# Altium PCB Whitespace_Daughtercard.PcbDoc (part 4 of 5) (continued)
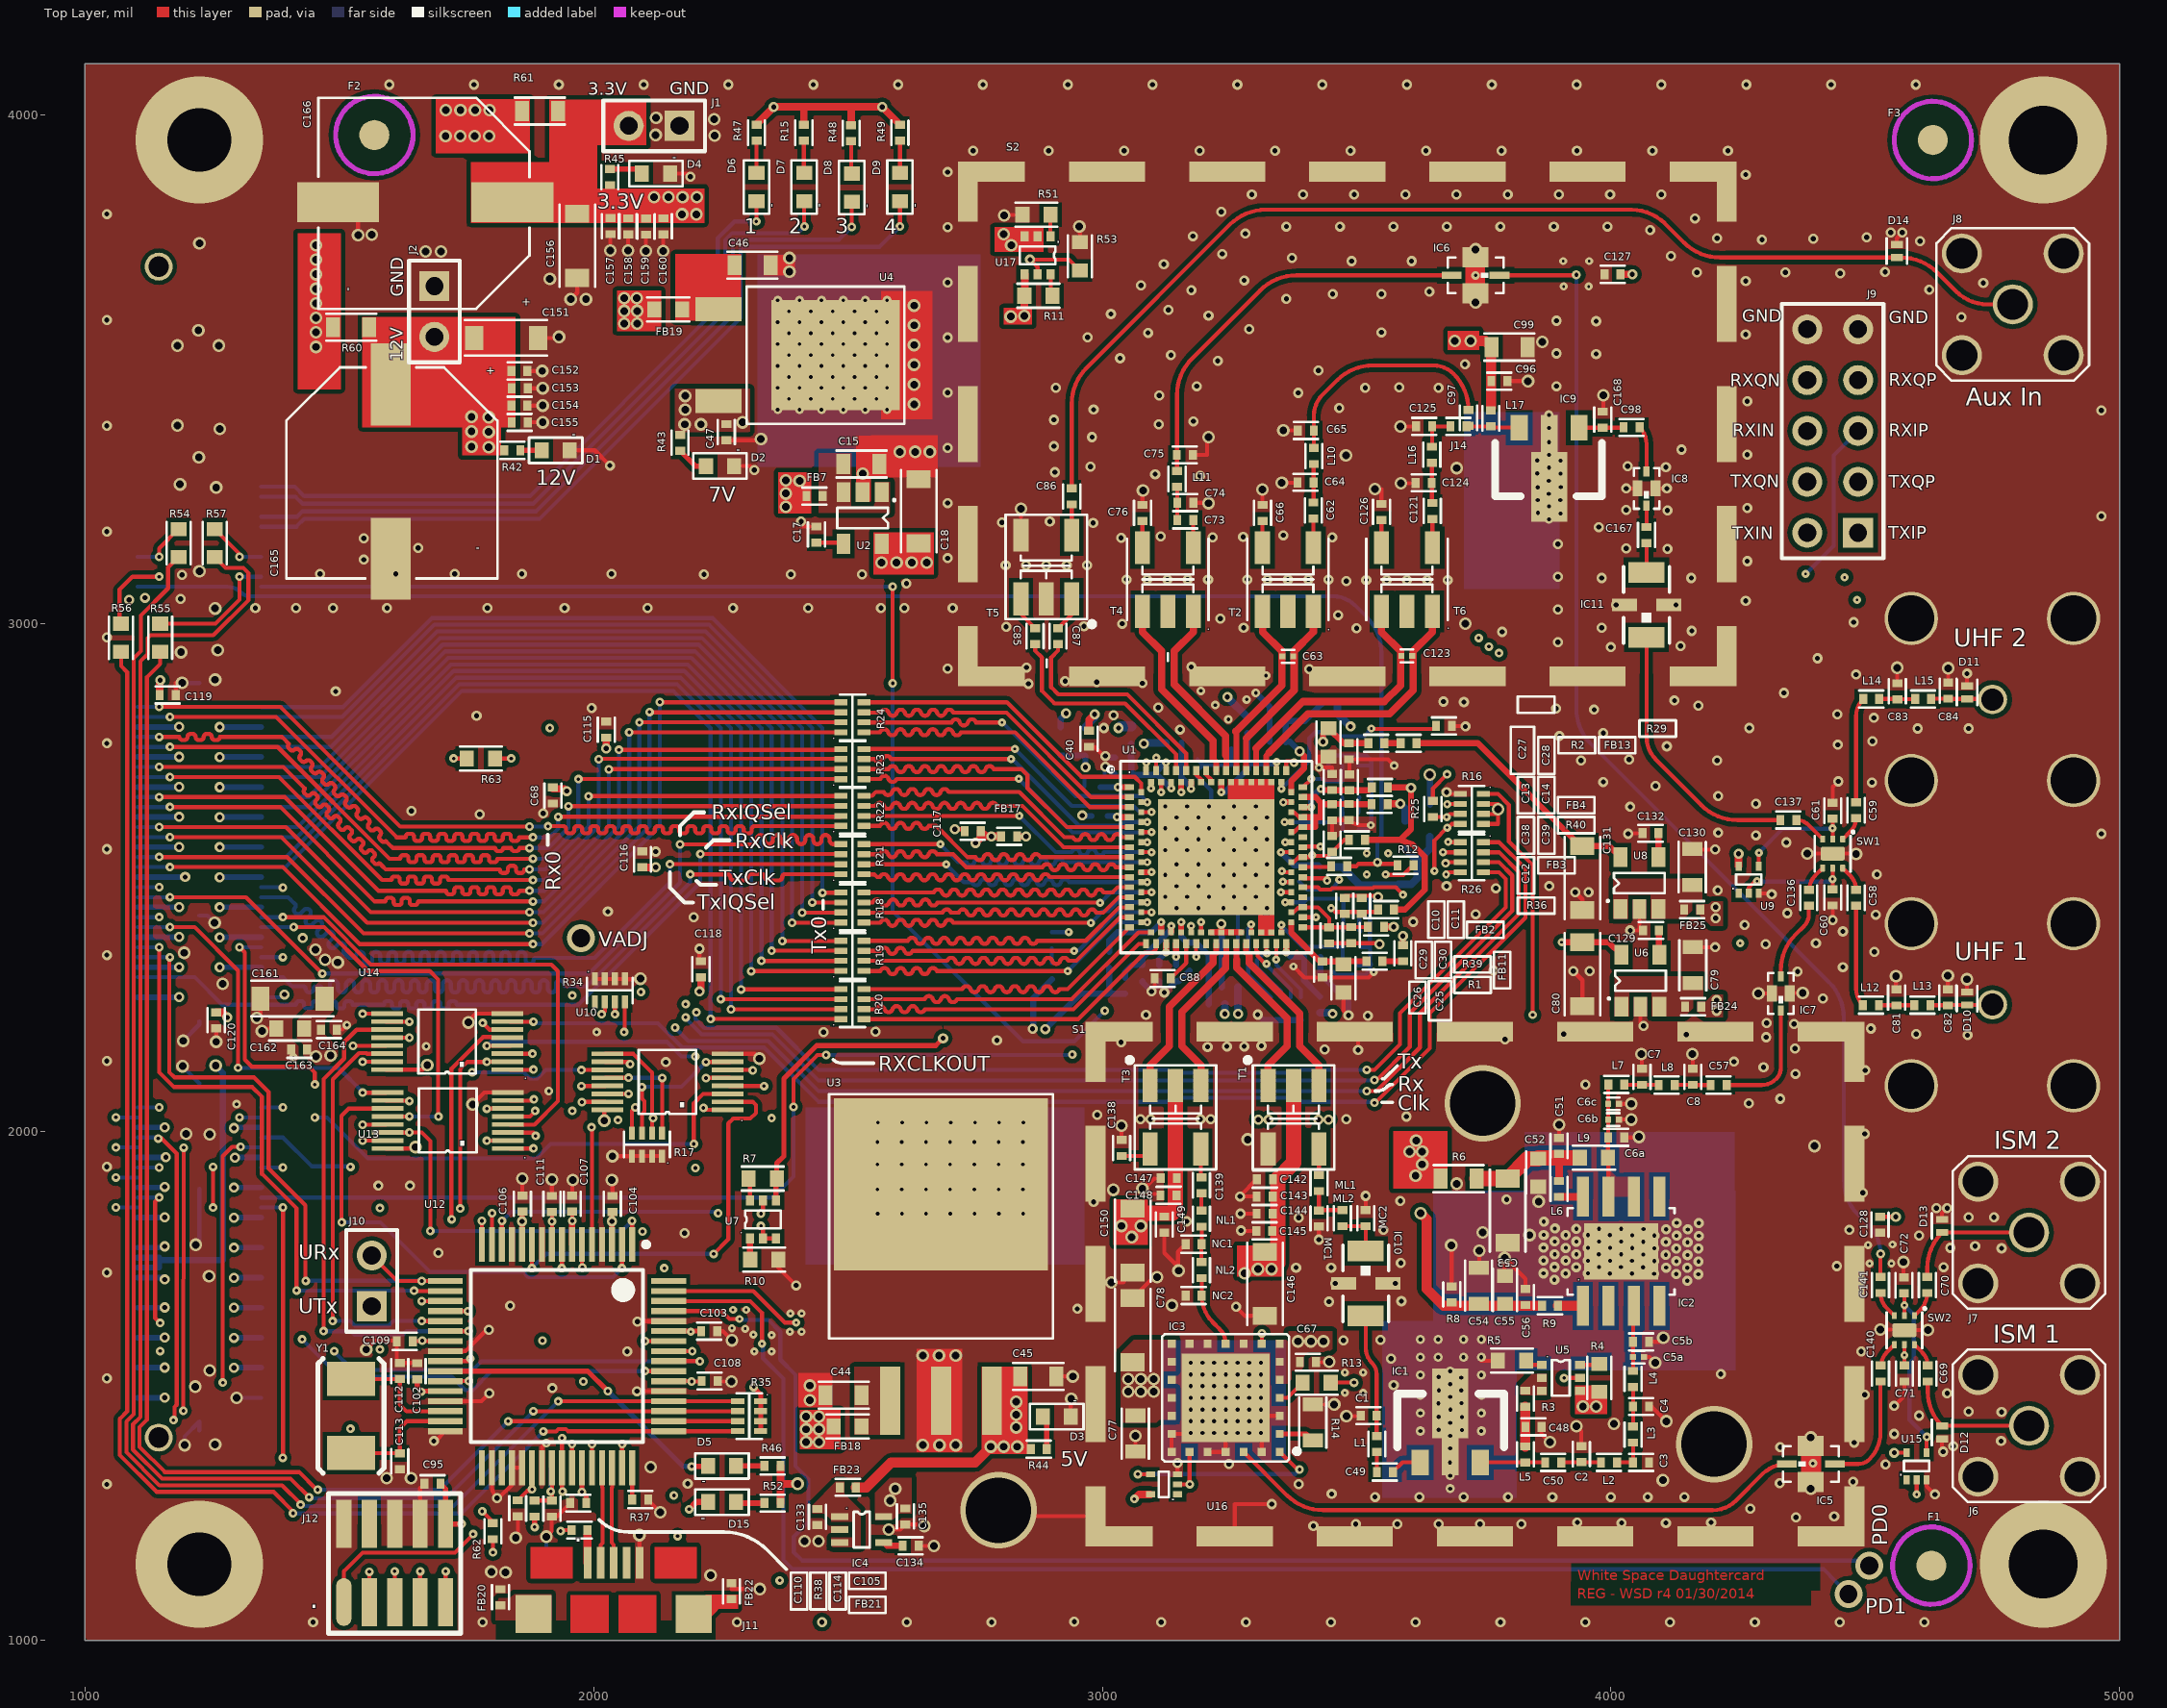
[diagram p0: Top Layer view]
## Nets (pads, with @x,y where several pads share a name; then routed paths per layer and width w, separated by ;. In a path a pad name is that pad's centre, name@x,y a point inside that pad or via, vN(x,y) a via of type N, cw(c..) or ccw(c..) an arc to the next point about the centre after c; other vN are vias at no path point) (continued)
RXOUTIP_4: J9.3 U1.116 | length 1786
  Top Layer w7.94: v5(3086.2,2726) v5@3086.2,2727
  MidLayer1 w7.94: v5(4383,3097) v5@4384,3098
  MidLayer2 w7.94: v5(3086.2,2726) 3086.2,2740.2 3109,2763 3293,2763 3453.06,2923.06 3791.35,2923.06 3797.29,2929 4217,2929 4383,3095 v5(4383,3097)
  Bottom Layer w7.94: v5(4383,3097) 4438,3152 4438,3330 J9.3@4486,3378
RXOUTQN_4: J9.9 U1.114 | length 1927.4
  Top Layer w7.94: U1.114@3105.89,2710.28 3105.89,2735.89 v5(3106,2736)
  MidLayer2 w7.94: v5(3106,2736) 3116,2746 3296,2746 3456.59,2906.59 4000.52,2906.59 ccw(c4000.52,2909.98) 4003.91,2909.98 4003.91,2911.21 cw(c4007.3,2911.21) 4007.3,2914.59 4017.46,2914.59 cw(c4017.46,2911.21) 4020.85,2911.21 4020.85,2909.98 ccw(c4024.23,2909.98) 4024.23,2906.59 4034.4,2906.59 ccw(c4034.4,2909.98) 4037.78,2909.98 4037.78,2911.21 cw(c4041.17,2911.21) 4041.17,2914.59 4051.33,2914.59 cw(c4051.33,2911.21) 4054.72,2911.21 4054.72,2909.98 ccw(c4058.11,2909.98) 4058.11,2906.59 4068.27,2906.59 ccw(c4068.27,2909.98) 4071.66,2909.98 4071.66,2911.21 cw(c4075.04,2911.21) 4075.04,2914.59 4085.21,2914.59 cw(c4085.21,2911.21) 4088.59,2911.21 4088.59,2909.98 ccw(c4091.98,2909.98) 4091.98,2906.59 4217.59,2906.59 4405,3094 4405,3104.56 4347.5,3162.05 4347.5,3416.5 4386,3454.99 J9.9@4386,3478
RXOUTQP_4: J9.4 U1.113 | length 2018.1
  Top Layer w7.94: v5(3115.73,2667.42) U1.113@3115.73,2687.64
  MidLayer2 w7.94: v5(3115.73,2667.42) 3115.73,2682.73 3127,2694 3159,2694 3179,2714 3306,2714 3463,2871 3873.19,2871 3879.97,2864.21 ccw(c3888,2864.21) 3888,2856.19 3894.88,2856.19 ccw(c3894.88,2864.21) 3902.91,2864.21 3902.91,2865.97 cw(c3910.94,2865.97) 3910.94,2874 3917.82,2874 cw(c3917.82,2865.97) 3925.85,2865.97 3925.85,2864.21 ccw(c3933.87,2864.21) 3933.87,2856.19 3940.76,2856.19 ccw(c3940.76,2864.21) 3948.78,2864.21 3948.78,2865.97 cw(c3956.81,2865.97) 3956.81,2874 3963.69,2874 cw(c3963.69,2865.97) 3971.72,2865.97 3971.72,2864.21 ccw(c3979.75,2864.21) 3979.75,2856.19 3986.63,2856.19 ccw(c3986.63,2864.21) 3994.66,2864.21 3994.66,2865.97 cw(c4002.69,2865.97) 4002.69,2874 4009.57,2874 cw(c4009.57,2865.97) 4017.59,2865.97 4017.59,2864.21 ccw(c4025.62,2864.21) 4025.62,2856.19 4032.5,2856.19 ccw(c4032.5,2864.21) 4040.53,2864.21 4047.32,2871 4224.8,2871 4437.43,3083.63 4437.43,3429.43 J9.4@4486,3478
RXPVDD33_2: C21.1 C22.2 FB9.1 U1.107 U1.109 | length 162.3
  Top Layer w12: v5(3155.1,2667.42) U1.109@3155.1,2687.64 ; v5(3174.79,2674.42) U1.107@3174.79,2687.64
  Bottom Layer w12: v5(3155.1,2667.42) C21.1@3155.1,2697.12 ; FB9.1@3156,2765 3156,2732.5 C22.2@3155.5,2732 3155.5,2699.5 C21.1@3155,2699 3155,2697.22 C21.1@3155.1,2697.12 ; v5(3174.79,2674.42) 3174.79,2677.44 C21.1@3155.1,2697.12
RXPVDDPLL33A_2: C36.1 C37.2 FB16.1 U1.86 | length 254.1
  Top Layer w12: U1.86@3371.64,2667.95 3371.64,2689.8 3396.5,2714.66 3396.5,2739.5 v1(3388,2748)
  Bottom Layer w12: C36.1@3361,2766 3361,2807.5 C37.2@3360.5,2808 3398,2808 FB16.1@3431,2841 ; C36.1@3362,2767 3369,2767 v1(3388,2748)
RXVCCLOB33_2: C38.1 C39.2 R40.2 U1.78 U1.79 U1.81 U1.82 U1.85 | length 302.2
  Top Layer w7.94: U1.78@3371.64,2589.21 3376.67,2589.21 3386.51,2599.06 U1.79@3394.28,2599.06 ; U1.82@3371.64,2628.58 3376.67,2628.58 3386.51,2618.74 U1.81@3394.28,2618.74
  Top Layer w12: U1.79@3394.28,2599.06 3418.52,2599.06 3418.52,2618.74 ; U1.81@3394.28,2618.74 3418.52,2618.74 ; U1.85@3394.28,2658.11 3419.02,2658.11 3430,2647.13 3430,2644 ; R40.2@3529.5,2644 3485,2644 C39.2@3485,2644.5 3452,2644.5 C38.1@3452,2644 3430,2644 ; 3418.52,2618.74 3430,2618.74 3430,2644
RXVCCLPF33_2: C19.1 C20.2 FB10.1 U1.111 U1.112 | length 216.7
  Top Layer w7.94: U1.112@3125.57,2710.28 v5@3125.57,2727 ; v5@3135.42,2674.42 U1.111@3135.42,2687.64
  Bottom Layer w12: FB10.1@3057,2763 3056.5,2762.5 C20.2@3056.5,2736 3057,2735.5 C19.1@3057,2702 3100.57,2702 ; v5@3125.57,2727 3100.57,2702 ; v5@3135.42,2674.42 3135.42,2674.6 3108.02,2702 3100.57,2702
  other v5: 3135.42,2675.42 3125.57,2726
RXVCCMIX33_2: C23.1 C24.2 FB8.1 U1.90 U1.101 | length 236.8
  Top Layer w7.94: U1.90@3342.11,2710.28 v5@3342.11,2727
  Top Layer w12: v5(3233.84,2667.42) U1.101@3233.84,2687.64
  Bottom Layer w12: v5(3233.84,2667.42) 3240.42,2667.42 3286,2713 C23.1@3286,2724 ; FB8.1@3285,2784 3285.5,2783.5 3285.5,2724.5 C23.1@3286,2724 ; v5@3342.11,2727 3339.11,2724 C23.1@3286,2724
  other v5: 3343.11,2727
RXVDDVCO18_2: C27.2 C28.1 R2.1 U1.84 | length 286.3
  Top Layer w7.94: 3474.12,2764 C28.1@3485,2764
  Top Layer w12: v10@3357.42,2648.27 U1.84@3371.64,2648.27 ; v1(3434,2767) 3434,2782.12 C27.2@3445,2793.12 3474.12,2764 ; C28.1@3485,2764 R2.1@3523,2764
  MidLayer2 w12: v10(3356,2648) 3387,2679 3387,2705 3434,2752 v1(3434,2767)
RXVTUNE_4: C89.2 R30.1 U1.87 | length 117.6
  Top Layer w7.94: U1.87@3394.28,2677.8 v5(3411,2694)
  Bottom Layer w7.94: v5(3411,2694) 3434.7,2694 3439.7,2689 R30.1@3472,2689 3472,2719.5 C89.2@3471.5,2720
SIGINTERSTAGE_7: C3.2 L2.2 L3.1 | length 64
  Top Layer w7.94: L2.2@4011.88,1350 C3.2@4040.19,1350 ; C3.2@4043.5,1353.31 L3.1@4043.5,1389
SIGPOSTAMP_7: C57.2 IC7.1 | length 237.7
  Top Layer w7.94: C57.2@4227.5,2092 4296.03,2092 ccw(c4296.03,2132.97) 4325,2104 ccw(c4303.27,2125.73) 4334,2125.73 IC7.1@4334,2238.54
SPI_CLK: J3.90 U13.7 | length 929.1
  Top Layer w7.94: v2(1304,2362.99) 1314,2352.99 1314,2142 1328,2128 1440,2128 1452,2116 v2(1452,2093) ; U13.7@1836,2061.49 v2@1881.67,2061.49
  MidLayer2 w7.94: v2@1452,2093.47 1537.76,2093.47 1538.76,2094.47 1553.24,2094.47 1554.24,2093.47 1556.53,2093.47 1571.81,2078.19 1812.81,2078.19 1829.28,2061.72 v2@1881.91,2061.72
  Bottom Layer w7.94: v2(1304,2362.99) J3.90@1346.65,2362.99
  other v2: 1882.91,2063.72
SPI_FSS: J3.84 U13.4 | length 996.1
  Top Layer w7.94: v2(1389.31,2422.05) 1469.04,2422.05 1562.09,2329 1917,2329 1930,2316 1930,2060.3 1883.95,2014.24 U13.4@1836,2014.24
  Bottom Layer w7.94: J3.84@1346.65,2422.05 v2(1389.31,2422.05)
SPI_RX: J3.86 U13.12 | length 763.1
  Top Layer w7.94: v2(1410.31,2402.36) 1470.43,2402.36 1556.73,2316.06 1677.94,2316.06 1694.47,2299.53 1694.47,2030.53 v2(1695,2030) ; U13.12@1591.91,2029.99 v2@1637.58,2029.99
  Bottom Layer w7.94: J3.86@1346.65,2402.36 v2(1410.31,2402.36) ; v2(1637.81,2030.23) 1638.04,2030 v2(1695,2030)
SPI_TX: J3.85 U13.9 | length 734.5
  Top Layer w7.94: v2(1167,2402.36) 1215.64,2402.36 1301,2317 v2(1301,2126) ; v2(1546,2077) 1591.67,2077 U13.9@1591.91,2077.24
  Bottom Layer w7.94: J3.85@1103.35,2402.36 v2(1167,2402.36) ; v2(1301,2126) 1499,2125 v2@1546,2078
SPISEL: J3.92 R34.7 U13.1 U14.1 | length 1254.8
  Top Layer w7.94: U13.1@1836,1967 v2@1881.67,1967 ; U14.1@1836,2122 v2@1881.67,2122 ; v2(2015.9,2231) 2022.16,2237.25 R34.7@2022.16,2255.36
  MidLayer1 w7.94: v2(1389.31,2343.31) 1441.61,2291 1873,2291 1885,2279 1885,2242 1904,2223 1904,2144.33 v2(1881.91,2122.24) 1906.67,2097.47 1919.24,2097.47 1929.47,2087.24 1929.47,2072.76 1919.24,2062.53 1905.61,2062.53 1905,2061.92 1905,1975 1897.24,1967.24 v2(1881.91,1967.24)
  MidLayer2 w7.94: v2(1881.91,2122.24) 1907.14,2122.24 v2(2015.9,2231)
  Bottom Layer w7.94: J3.92@1346.65,2343.31 v2(1389.31,2343.31)
TAVDD33_2: C33.2 C34.2 FB14.2 U1.37 | length 214.9
  Top Layer w12: U1.37@3155.1,2392.36 v5(3155.1,2412.58)
  Bottom Layer w12: v5(3155.1,2412.58) 3155.1,2383.9 3167,2372 3185,2372 3209.5,2347.5 C34.2@3209.5,2317 C33.2@3209.5,2284 FB14.2@3209.5,2251
TCK: J12.4 R35.8 R54.1 U12.52 | length 3481.5
  Top Layer w7.94: R54.1@1184,3130 1163.47,3109.47 1163.47,3068.64 1110,3015.17 1110,2945 1096.13,2931.13 1096.13,1444.83 1081.57,1430.27 1081.57,1369.84 1146.28,1305.13 1387.57,1305.13 v2@1425.85,1266.85 ; J12.4@1659,1075.46 v2(1659,1136) ; v2(1930.4,1470) 1930.81,1470.42 U12.52@2147.49,1470.42 2283.25,1470.42 R35.8@2283.36,1470.53
  MidLayer1 w7.94: v2@1425.85,1266.85 1524.7,1168 1627,1168 v2(1659,1136)
  Bottom Layer w7.94: v2@1425.85,1266.85 1428.47,1264.23 1724.63,1264.23 v2(1930.4,1470)
  other v2: 1423.85,1266.85
TDI: J12.2 R35.6 R55.1 U12.50 | length 3110.7
  Top Layer w7.94: R55.1@1148,2944 1148,2920 1122,2894 1122,1434.11 1107.44,1419.56 1107.44,1380.56 1157,1331 1421.1,1331 v2@1455.55,1296.55 ; J12.2@1559,1075.46 v2@1559,1136 ; v2(1832,1431) v2(1832,1431) U12.50@2147.49,1431.05 2283.25,1431.05 R35.6@2283.36,1431.16
  MidLayer2 w7.94: v2@1455.55,1296.55 1559,1193.1 v2@1559,1136
  Bottom Layer w7.94: v2@1455.55,1296.55 1697.55,1296.55 v2(1832,1431)
  other v2: 1559,1135 1457.55,1296.55
TDO: J12.3 R35.5 R56.1 U12.49 | length 3222.3
  Top Layer w7.94: R56.1@1071,2944 1071,2916 1083.19,2903.81 1083.19,1450.19 1068.63,1435.63 1068.63,1364.48 1140.92,1292.19 1370.81,1292.19 v2@1411,1252 ; J12.3@1609,1075.46 v2(1609,1136) ; v2@1908.9,1411 1926.3,1411 1930.76,1415.47 1945.24,1415.47 1949.34,1411.36 U12.49@2147.49,1411.36 2283.25,1411.36 R35.5@2283.36,1411.47
  MidLayer1 w7.94: v2@1411,1252 1510.53,1152.47 1592.53,1152.47 v2(1609,1136)
  Bottom Layer w7.94: v2@1411,1252 1413.62,1249.38 1739.48,1249.38 v2(1901.1,1411)
  other v2: 1409,1250
TMS: J12.5 R35.7 R57.1 U12.51 | length 3658.4
  Top Layer w7.94: R57.1@1255,3130 1276.19,3108.81 1311.24,3108.81 1321.47,3098.57 1321.47,3045.47 1252.37,2976.37 1128.54,2976.37 1123,2970.83 1123,2939 1109.06,2925.06 1109.06,1439.47 1094.51,1424.92 1094.51,1375.2 1151.64,1318.06 1404.33,1318.06 v2(1440.7,1281.7) ; J12.5@1709,1075.46 v2(1709,1136) ; v2(1881.43,1450.73) U12.51@2147.49,1450.73 2283.25,1450.73 R35.7@2283.36,1450.84
  MidLayer1 w7.94: v2(1440.7,1281.7) 1540.4,1182 1663,1182 v2(1709,1136)
  Bottom Layer w7.94: v2(1440.7,1281.7) 1443.32,1279.08 1709.78,1279.08 v2(1881.43,1450.73)
TRX_RESET: J3.83 R25.2 R63.1 | length 3447.2
  Top Layer w7.94: R63.1@1806,2734 v2(1838,2734) ; R25.2@3650,2650.5 3650,2675 v2(3678,2703)
  MidLayer1 w7.94: v2(3678,2703) 3740,2765 v2@3740,2969
  MidLayer2 w7.94: v2(1146,2422.05) 1146,2456.4 1128.53,2473.87 1128.53,2547.39 1138.76,2557.63 1154.55,2557.63 1184.18,2528 1724,2528 1897,2701 ; v2(1838,2734) 1864,2734 1897,2701 ; v2(3740,2971) 3735,2966 2162,2966 1897,2701
  Bottom Layer w7.94: J3.83@1103.35,2422.05 v2(1146,2422.05)
TRX_RESET_4: R16.6 R25.1 U1.75 | length 363.5
  Top Layer w7.94: U1.75@3394.28,2559.68 3395.59,2561 v5(3429,2561) ; R25.1@3650,2619 v10(3677,2619) 3683,2625 R16.6@3703.72,2625
  MidLayer2 w7.94: v5(3429,2561) 3440.7,2561 3461.74,2582.03 3593.44,2582.03 3630.41,2619 v10(3677,2619)
TSTD1_4: U1.65
TSTD2_4: U1.77
TX_CLK: J3.96 R21.1 | length 1800.6
  Top Layer w7.94: v8@2190,2506.12 2218,2506.17 2234.97,2506.2 2263.69,2506.25 cw(c2263.7,2501.04) 2268.92,2501.05 ccw(c2275.7,2501.06) 2275.71,2494.27 2296.08,2494.3 ccw(c2296.07,2501.09) 2302.85,2501.1 cw(c2308.07,2501.11) 2308.06,2506.33 2331.57,2506.37 cw(c2331.58,2501.15) 2336.79,2501.16 ccw(c2343.58,2501.17) 2343.59,2494.39 2363.95,2494.42 ccw(c2363.94,2501.21) 2370.73,2501.22 cw(c2375.94,2501.23) 2375.93,2506.44 2403,2506.49 R21.1@2486,2506.63
  Bottom Layer w7.94: J3.96@1346.65,2303.94 1389.31,2303.94 1407.24,2286 1410,2286 1417.94,2286 1429.75,2286 cw(c1429.75,2281.94) 1433.81,2281.94 ccw(c1441.75,2281.94) 1441.75,2274 ccw(c1441.75,2281.94) 1449.68,2281.94 cw(c1453.75,2281.94) 1453.75,2286 1461.5,2286 cw(c1461.5,2281.94) 1465.56,2281.94 ccw(c1473.5,2281.94) 1473.5,2274 ccw(c1473.5,2281.94) 1481.43,2281.94 1481.43,2286 1481.43,2290.06 cw(c1489.37,2290.06) 1489.37,2298 cw(c1489.37,2290.06) 1497.31,2290.06 1497.31,2286 1497.31,2281.94 ccw(c1505.24,2281.94) 1505.24,2274 ccw(c1505.24,2281.94) 1513.18,2281.94 1513.18,2286 1513.18,2290.06 cw(c1521.12,2290.06) 1521.12,2298 cw(c1521.12,2290.06) 1529.05,2290.06 1529.06,2286 1529.06,2281.94 ccw(c1536.99,2281.94) 1536.99,2274 ccw(c1536.99,2281.94) 1544.93,2281.94 1544.93,2286 1544.93,2290.06 cw(c1552.87,2290.06) 1552.87,2298 cw(c1552.87,2290.06) 1560.8,2290.06 1560.8,2286 1560.8,2281.94 ccw(c1568.74,2281.94) 1568.74,2274 ccw(c1568.74,2281.94) 1576.68,2281.94 1576.68,2286 1576.68,2290.06 cw(c1584.61,2290.06) 1584.61,2298 cw(c1584.61,2290.06) 1592.55,2290.06 1592.55,2286 1592.55,2281.94 ccw(c1600.49,2281.94) 1600.49,2274 ccw(c1600.49,2281.94) 1608.42,2281.94 1608.42,2286 1608.42,2290.06 ; 1608.43,2290.06 cw(c1616.36,2290.06) 1616.36,2298 cw(c1616.36,2290.06) 1624.3,2290.06 1624.3,2286 1624.3,2281.94 ccw(c1632.24,2281.94) 1632.24,2274 ccw(c1632.24,2281.94) 1640.17,2281.94 1640.17,2286 1640.17,2290.06 cw(c1648.11,2290.06) 1648.11,2298 cw(c1648.11,2290.06) 1656.05,2290.06 1656.05,2286 1656.05,2281.94 ccw(c1663.98,2281.94) 1663.98,2274 ccw(c1663.98,2281.94) 1671.92,2281.94 1671.92,2286 1671.92,2290.06 cw(c1679.86,2290.06) 1679.86,2298 cw(c1679.86,2290.06) 1687.79,2290.06 1687.8,2286 1687.8,2281.94 ccw(c1695.73,2281.94) 1695.73,2274 ccw(c1695.73,2281.94) 1703.67,2281.94 1703.67,2286 1703.67,2290.06 cw(c1711.61,2290.06) 1711.61,2298 cw(c1711.61,2290.06) 1719.54,2290.06 1719.54,2286 1719.54,2281.94 ccw(c1727.48,2281.94) 1727.48,2274 ccw(c1727.48,2281.94) 1735.42,2281.94 1735.42,2286 1735.42,2290.06 cw(c1743.35,2290.06) 1743.35,2298 cw(c1743.35,2290.06) 1751.29,2290.06 1751.29,2286 1751.29,2281.94 ccw(c1759.23,2281.94) 1759.23,2274 ccw(c1759.23,2281.94) 1767.16,2281.94 1767.16,2286 1767.16,2290.06 cw(c1775.1,2290.06) 1775.1,2298 cw(c1775.1,2290.06) 1783.04,2290.06 1783.04,2286 1783.04,2281.94 ccw(c1790.98,2281.94) 1790.98,2274 ccw(c1790.98,2281.94) 1798.91,2281.94 1798.91,2286 1798.91,2290.06 cw(c1806.85,2290.06) 1806.85,2298 cw(c1806.85,2290.06) 1814.79,2290.06 1814.79,2286 1814.79,2281.94 ccw(c1822.72,2281.94) 1822.72,2274 ccw(c1822.72,2281.94) 1830.66,2281.94 1830.66,2286 1830.66,2290.06 cw(c1838.6,2290.06) 1838.6,2298 cw(c1838.6,2290.06) 1846.53,2290.06 1846.54,2286 1846.54,2281.94 ccw(c1854.47,2281.94) 1854.47,2274 ccw(c1854.47,2281.94) 1862.41,2281.94 1862.41,2286 1862.41,2290.06 cw(c1870.35,2290.06) 1870.35,2298 cw(c1870.35,2290.06) 1878.28,2290.06 1878.28,2286 1878.28,2281.94 ccw(c1886.22,2281.94) 1886.22,2274 ccw(c1886.22,2281.94) 1894.16,2281.94 1894.16,2286 1894.16,2290.06 cw(c1902.09,2290.06) 1902.09,2298 cw(c1902.09,2290.06) 1910.03,2290.06 1910.03,2286 1910.03,2281.94 ccw(c1917.97,2281.94) 1917.97,2274 ccw(c1917.97,2281.94) 1925.9,2281.94 1925.9,2286 1925.9,2290.06 cw(c1933.84,2290.06) 1933.84,2298 cw(c1933.84,2290.06) 1941.78,2290.06 ccw(c1945.84,2290.06) 1945.84,2286 1957.65,2286 1973.53,2286 1986,2286 1991.61,2291.61 1992,2292 2190,2490 v8(2190,2506.16)
TX_CLK_IN_4: R21.8 U1.19 | length 639.7
  Top Layer w7.94: R21.8@2531.64,2506.47 2532.11,2506 2552,2506 2557.37,2500.63 2563,2500.63 cw(c2570.94,2498.38) 2578.87,2500.63 ccw(c2586.81,2502.88) 2594.75,2500.63 cw(c2602.68,2498.38) 2610.62,2500.63 ccw(c2618.56,2502.88) 2626.5,2500.63 cw(c2634.43,2498.38) 2642.37,2500.63 ccw(c2650.31,2502.88) 2658.24,2500.63 cw(c2666.18,2498.38) 2674.12,2500.63 ccw(c2682.05,2502.88) 2689.99,2500.63 cw(c2697.93,2498.38) 2705.87,2500.63 ccw(c2713.8,2502.88) 2721.74,2500.63 cw(c2729.68,2498.38) 2737.61,2500.63 ccw(c2745.55,2502.88) 2753.49,2500.63 cw(c2761.43,2498.38) 2769.36,2500.63 ccw(c2777.3,2502.88) 2785.24,2500.63 cw(c2793.17,2498.38) 2801.11,2500.63 ccw(c2809.05,2502.88) 2816.98,2500.63 cw(c2824.92,2498.38) 2832.86,2500.63 ccw(c2840.8,2502.88) 2848.73,2500.63 cw(c2856.67,2498.38) 2864.61,2500.63 ccw(c2872.54,2502.88) 2880.48,2500.63 cw(c2888.42,2498.38) 2896.35,2500.63 2912.23,2500.63 2928.1,2500.63 2943.98,2500.63 2959.85,2500.63 2966,2500.63 U1.19@3053.72,2500.63
TX_EN: J3.78 R16.5 U1.66 | length 3505.4
  Top Layer w7.94: v5(3351.42,2471.1) U1.66@3371.64,2471.1 ; v10(3653,2513) 3653,2573 v10(3678,2598) 3680,2598 3687.31,2605.31 R16.5@3703.72,2605.31
  MidLayer1 w7.94: v10(3678,2598) 3684,2598 3780,2694 v2(3780,2941)
  MidLayer2 w7.94: v2@1389.31,2481.1 1722.1,2481.1 2177.53,2936.53 3775.53,2936.53 v2(3780,2941) ; v5(3351.42,2471.1) 3486.9,2471.1 3517,2441 3594,2441 3653,2500 v10@3653,2510
  Bottom Layer w7.94: J3.78@1346.65,2481.1 v2@1389.31,2481.1
  other v2: 1389.31,2480.1
TX_IQ_SEL: J3.80 R21.2 | length 1794.9
  Top Layer w7.94: v8@2150,2526.14 R21.2@2486,2526.32
  Bottom Layer w7.94: J3.80@1346.65,2461.42 1399.58,2461.42 1405.19,2455.8 1413.55,2447.45 cw(c1410.67,2444.58) 1413.55,2441.71 ccw(c1419.16,2436.1) 1413.55,2430.48 ccw(c1419.16,2436.1) 1424.77,2430.48 1427.64,2433.36 1430.52,2436.23 cw(c1436.13,2430.62) 1441.74,2436.23 cw(c1436.13,2430.62) 1441.74,2425 1438.87,2422.13 1436,2419.26 ccw(c1441.61,2413.65) 1436,2408.03 ccw(c1441.61,2413.65) 1447.22,2408.03 1450.09,2410.91 1452.97,2413.78 cw(c1458.58,2408.17) 1464.19,2413.78 cw(c1458.58,2408.17) 1464.19,2402.55 1461.32,2399.68 1458.45,2396.81 ccw(c1464.06,2391.2) 1458.45,2385.58 ccw(c1464.06,2391.2) 1469.67,2385.58 1472.54,2388.46 1475.42,2391.33 cw(c1481.03,2385.72) 1486.64,2391.33 cw(c1481.03,2385.72) 1486.64,2380.11 1483.77,2377.23 1480.89,2374.36 ccw(c1486.51,2368.75) 1480.89,2363.14 ccw(c1486.51,2368.75) 1492.12,2363.14 1494.99,2366.01 1497.86,2368.88 cw(c1503.48,2363.27) 1509.09,2368.88 cw(c1503.48,2363.27) 1509.09,2357.66 ccw(c1511.96,2354.78) 1509.09,2351.91 1517.44,2343.56 1519,2342 1525,2342 1528.87,2342 ccw(c1528.87,2346.06) 1532.94,2346.06 cw(c1540.87,2346.06) 1540.87,2354 cw(c1540.87,2346.06) 1548.81,2346.06 1548.81,2342 1548.81,2337.94 ccw(c1556.75,2337.94) 1556.75,2330 ccw(c1556.75,2337.94) 1564.68,2337.94 1564.68,2342 1564.68,2346.06 cw(c1572.62,2346.06) 1572.62,2354 cw(c1572.62,2346.06) 1580.56,2346.06 1580.56,2342 1580.56,2337.94 ccw(c1588.5,2337.94) 1588.5,2330 ccw(c1588.5,2337.94) 1596.43,2337.94 1596.43,2342 1596.43,2346.06 cw(c1604.37,2346.06) 1604.37,2354 cw(c1604.37,2346.06) 1612.31,2346.06 1612.31,2342 1612.31,2337.94 ccw(c1620.24,2337.94) 1620.24,2330 ccw(c1620.24,2337.94) 1628.18,2337.94 1628.18,2342 1628.18,2346.06 cw(c1636.12,2346.06) 1636.12,2354 cw(c1636.12,2346.06) 1644.05,2346.06 1644.06,2342 1644.06,2337.94 ccw(c1651.99,2337.94) 1651.99,2330 ccw(c1651.99,2337.94) 1659.93,2337.94 1659.93,2342 1659.93,2346.06 cw(c1667.87,2346.06) 1667.87,2354 cw(c1667.87,2346.06) 1675.8,2346.06 1675.8,2342 1675.8,2337.94 ccw(c1683.74,2337.94) 1683.74,2330 ccw(c1683.74,2337.94) 1691.68,2337.94 1691.68,2342 1691.68,2346.06 cw(c1699.61,2346.06) 1699.61,2354 cw(c1699.61,2346.06) 1707.55,2346.06 1707.55,2342 1707.55,2337.94 ccw(c1715.49,2337.94) 1715.49,2330 ccw(c1715.49,2337.94) 1723.42,2337.94 1723.42,2342 1723.42,2346.06 cw(c1731.36,2346.06) 1731.36,2354 cw(c1731.36,2346.06) 1739.3,2346.06 1739.3,2342 1739.3,2337.94 ccw(c1747.24,2337.94) 1747.24,2330 ccw(c1747.24,2337.94) 1755.17,2337.94 1755.17,2342 1755.17,2346.06 cw(c1763.11,2346.06) 1763.11,2354 cw(c1763.11,2346.06) 1771.05,2346.06 1771.05,2342 1771.05,2337.94 ccw(c1778.98,2337.94) 1778.98,2330 ccw(c1778.98,2337.94) 1786.92,2337.94 1786.92,2342 1786.92,2346.06 cw(c1794.86,2346.06) 1794.86,2354 cw(c1794.86,2346.06) 1802.79,2346.06 1802.8,2342 1802.8,2337.94 ccw(c1810.73,2337.94) 1810.73,2330 ccw(c1810.73,2337.94) 1818.67,2337.94 1818.67,2342 1818.67,2346.06 cw(c1826.61,2346.06) 1826.61,2354 cw(c1826.61,2346.06) 1834.54,2346.06 1834.54,2342 1834.54,2337.94 ccw(c1842.48,2337.94) 1842.48,2330 ccw(c1842.48,2337.94) 1850.42,2337.94 1850.42,2342 1850.42,2346.06 cw(c1858.35,2346.06) 1858.35,2354 cw(c1858.35,2346.06) 1866.29,2346.06 1866.29,2342 1866.29,2337.94 ccw(c1874.23,2337.94) 1874.23,2330 ccw(c1874.23,2337.94) 1882.16,2337.94 cw(c1886.23,2337.94) 1886.23,2342 1953,2342 2002,2342 2150,2490 v8(2150,2526.16)
TX_IQ_SEL_IN_4: R21.7 U1.20 | length 651.4
  Top Layer w7.94: R21.7@2531.8,2526 v5(2693,2526) ; U1.20@3076.36,2490.79 v5@3089.58,2490.79
  Bottom Layer w7.94: v5(2693,2526) 2728.21,2490.79 2744.09,2490.79 ccw(c2752.02,2493.04) 2759.96,2490.79 cw(c2767.9,2488.54) 2775.83,2490.79 ccw(c2783.77,2493.04) 2791.71,2490.79 cw(c2799.65,2488.54) 2807.58,2490.79 ccw(c2815.52,2493.04) 2823.46,2490.79 cw(c2831.39,2488.54) 2839.33,2490.79 ccw(c2847.27,2493.04) 2855.2,2490.79 cw(c2863.14,2488.54) 2871.08,2490.79 ccw(c2879.02,2493.04) 2886.95,2490.79 cw(c2894.89,2488.54) 2902.83,2490.79 ccw(c2910.76,2493.04) 2918.7,2490.79 cw(c2926.64,2488.54) 2934.57,2490.79 v5@3089.58,2490.79
  other v5: 3088.58,2490.79
TXCPOUT_4: C93.2 C94.2 R32.2 U1.64 | length 198.1
  Top Layer w7.94: v5@3357.42,2451.42 3358.42,2451.42 U1.64@3371.64,2451.42
  Bottom Layer w7.94: v5@3358.42,2451.42 3396.85,2451.42 3403.97,2458.54 C94.2@3474,2458.54 ; R32.2@3473.5,2394.5 3473.5,2425.5 C93.2@3474,2426 C94.2@3474,2459 C94.2@3473.54,2458.54
  other v5: 3359.42,2451.42
TXD0: J3.42 R18.4 | length 1626
  Top Layer w7.94: v8(2450,2470) 2485.83,2470 R18.4@2486.36,2470.53
  Bottom Layer w7.94: J3.42@1346.65,2835.43 1346.97,2835.12 1506.88,2835.12 1681.77,3010 2234,3010 2450,2794 v8(2450,2470)
TXD1: J3.44 R18.3 | length 1642
  Top Layer w7.94: v8(2430,2451) 2486.2,2451 R18.3@2486.36,2450.84
  Bottom Layer w7.94: J3.44@1346.65,2815.75 1505.81,2815.75 1687.13,2997.06 2226.94,2997.06 2430,2794 v8(2430,2451)
TXD2: J3.48 R18.2 | length 1667.4
  Top Layer w7.94: v8(2410,2431) 2486.2,2431 R18.2@2486.36,2431.16
  Bottom Layer w7.94: J3.48@1346.65,2776.38 1485,2776.38 1692.56,2983.94 2220.06,2983.94 2410,2794 v8(2410,2431)
TXD3: J3.50 R18.1 | length 1684.9
  Top Layer w7.94: v8(2390,2411) 2485.89,2411 R18.1@2486.36,2411.47
  Bottom Layer w7.94: J3.50@1346.65,2756.69 1483.7,2756.69 1697.95,2970.94 2213.06,2970.94 2390,2794 v8(2390,2411)
TXD4: J3.54 R19.4 | length 1726.5
  Top Layer w7.94: v8(2371,2375) 2485.83,2375 R19.4@2486.36,2375.53
  Bottom Layer w7.94: J3.54@1346.65,2717.32 1462.72,2717.32 1703.33,2957.94 2207.06,2957.94 2371,2794 v8(2371,2375)
TXD5: J3.56 R19.3 | length 1742.7
  Top Layer w7.94: v8(2350,2356) 2486.2,2356 R19.3@2486.36,2355.84
  Bottom Layer w7.94: J3.56@1346.65,2697.64 1461.42,2697.64 1708.72,2944.94 2199.06,2944.94 2350,2794 v8(2350,2356)
TXD6: J3.60 R19.2 | length 1768.3
  Top Layer w7.94: v8(2330,2336) 2486.2,2336 R19.2@2486.36,2336.16
  Bottom Layer w7.94: J3.60@1346.65,2658.27 1440.43,2658.27 1714.1,2931.94 2192.06,2931.94 2330,2794 v8(2330,2336)
TXD7: J3.62 R19.1 | length 1790.8
  Top Layer w7.94: v8(2310,2316) 2485.89,2316 R19.1@2486.36,2316.47
  Bottom Layer w7.94: J3.62@1346.65,2638.58 1439.22,2638.58 1534.82,2734.18 ; 1531.28,2730.72 1719.49,2918.94 2185.06,2918.94 2310,2794 v8(2310,2316)
TXD8: J3.66 R20.4 | length 1827.3
  Top Layer w7.94: v8(2290,2280) 2485.83,2280 R20.4@2486.36,2280.53
  Bottom Layer w7.94: J3.66@1346.65,2599.21 1418.15,2599.21 1724.87,2905.94 2178.06,2905.94 2290,2794 v8(2290,2280)
TXD9: J3.68 R20.2 | length 1863.6
  Top Layer w7.94: v8(2270,2241) 2486.2,2241 R20.2@2486.36,2241.16
  Bottom Layer w7.94: J3.68@1346.65,2579.53 1416.85,2579.53 1730.26,2892.94 2171.06,2892.94 2270,2794 v8(2270,2241)
TXD10: J3.72 R20.3 | length 1849.1
  Top Layer w7.94: v8(2250,2261) 2486.2,2261 R20.3@2486.36,2260.84
  Bottom Layer w7.94: J3.72@1346.65,2540.16 1395.86,2540.16 1735.64,2879.94 2164.06,2879.94 2250,2794 v8(2250,2261)
TXD11: J3.74 R20.1 | length 1885.7
  Top Layer w7.94: v8(2230,2222) 2485.83,2222 R20.1@2486.36,2221.47
  Bottom Layer w7.94: J3.74@1346.65,2520.47 1394.47,2520.47 1741,2867 2157,2867 2230,2794 v8(2230,2222)
TXININ_4: J9.6 R41.8 U1.51 | length 2221.8
  Top Layer w7.94: U1.51@3292.9,2392.36 3292.9,2405.58 v5@3292.9,2406.58
  MidLayer1 w7.94: J9.6@4386,3178 4386,3131 4456,3061 4471,3061 4484,3048 v5(4484,3046)
  MidLayer2 w7.94: v5@3292.9,2405.58 3292.9,2297.1 3338.03,2251.97 4053.97,2251.97 4181.81,2379.81 4181.81,2747.81 4482,3048 v5(4484,3046)
  Bottom Layer w7.94: v5@3292.9,2405.58 3287,2399.69 3287,2309.11 R41.8@3331.47,2264.64
  other v5: 3292.9,2407.58
TXINIP_4: J9.1 R41.6 U1.52 | length 1953.8
  Top Layer w7.94: U1.52@3302.74,2369.72 3302.74,2357 3305.17,2354.57 3305.17,2345.83 v5@3321,2330
  MidLayer2 w7.94: v5(3323,2330) 3372.94,2280.06 4042.06,2280.06 4155.94,2393.94 4155.94,2761.94 4486,3092 J9.1@4486,3178
  Bottom Layer w7.94: v5@3321,2330 v5@3321.3,2330 ; v5@3322.15,2329.15 3370.84,2280.45 R41.6@3370.84,2264.64
TXINQN_4: J9.7 R41.5 U1.56 | length 2299.6
  Top Layer w7.94: v5(3342,2339) 3342.11,2339.11 U1.56@3342.11,2369.72
  MidLayer1 w7.94: J9.7@4386,3278 4447.5,3216.5 4447.5,3144.76 4462,3130.26 4462,3093 v5(4459,3090)
  MidLayer2 w7.94: v5(3342,2339) 3342,2329.35 3378.17,2293.17 ; 3379,2293 4036.7,2293 4143,2399.3 4143,2460.82 ccw(c4131.53,2460.82) 4131.53,2472.29 4122.69,2472.29 cw(c4122.69,2483.76) 4111.22,2483.76 cw(c4122.69,2483.76) 4122.69,2495.22 4131.53,2495.22 ccw(c4131.53,2506.69) 4143,2506.69 ccw(c4131.53,2506.69) 4131.53,2518.16 4122.69,2518.16 cw(c4122.69,2529.63) 4111.22,2529.63 cw(c4122.69,2529.63) 4122.69,2541.1 4131.53,2541.1 ccw(c4131.53,2552.57) 4143,2552.57 ccw(c4131.53,2552.57) 4131.53,2564.04 4122.69,2564.04 cw(c4122.69,2575.5) 4111.22,2575.5 cw(c4122.69,2575.5) 4122.69,2586.97 4131.53,2586.97 ccw(c4131.53,2598.44) 4143,2598.44 ccw(c4131.53,2598.44) 4131.53,2609.91 4122.69,2609.91 cw(c4122.69,2621.38) 4111.22,2621.38 cw(c4122.69,2621.38) 4122.69,2632.85 4131.53,2632.85 ccw(c4131.53,2644.32) 4143,2644.32 ccw(c4131.53,2644.32) 4131.53,2655.78 4122.69,2655.78 cw(c4122.69,2667.25) 4111.22,2667.25 cw(c4122.69,2667.25) 4122.69,2678.72 4131.53,2678.72 ccw(c4131.53,2690.19) 4143,2690.19 ccw(c4131.53,2690.19) 4131.53,2701.66 4122.69,2701.66 cw(c4122.69,2713.13) 4111.22,2713.13 cw(c4122.69,2713.13) 4122.69,2724.59 4131.53,2724.59 ccw(c4131.53,2736.06) 4143,2736.06 4143,2768 4459,3084 v5(4459,3090)
  Bottom Layer w7.94: v5(3342,2339) 3342,2328 3390.53,2279.47 R41.5@3390.53,2264.64